# Altium PCB WL-MAIN.PcbDoc (part 3 of 3) (continued)
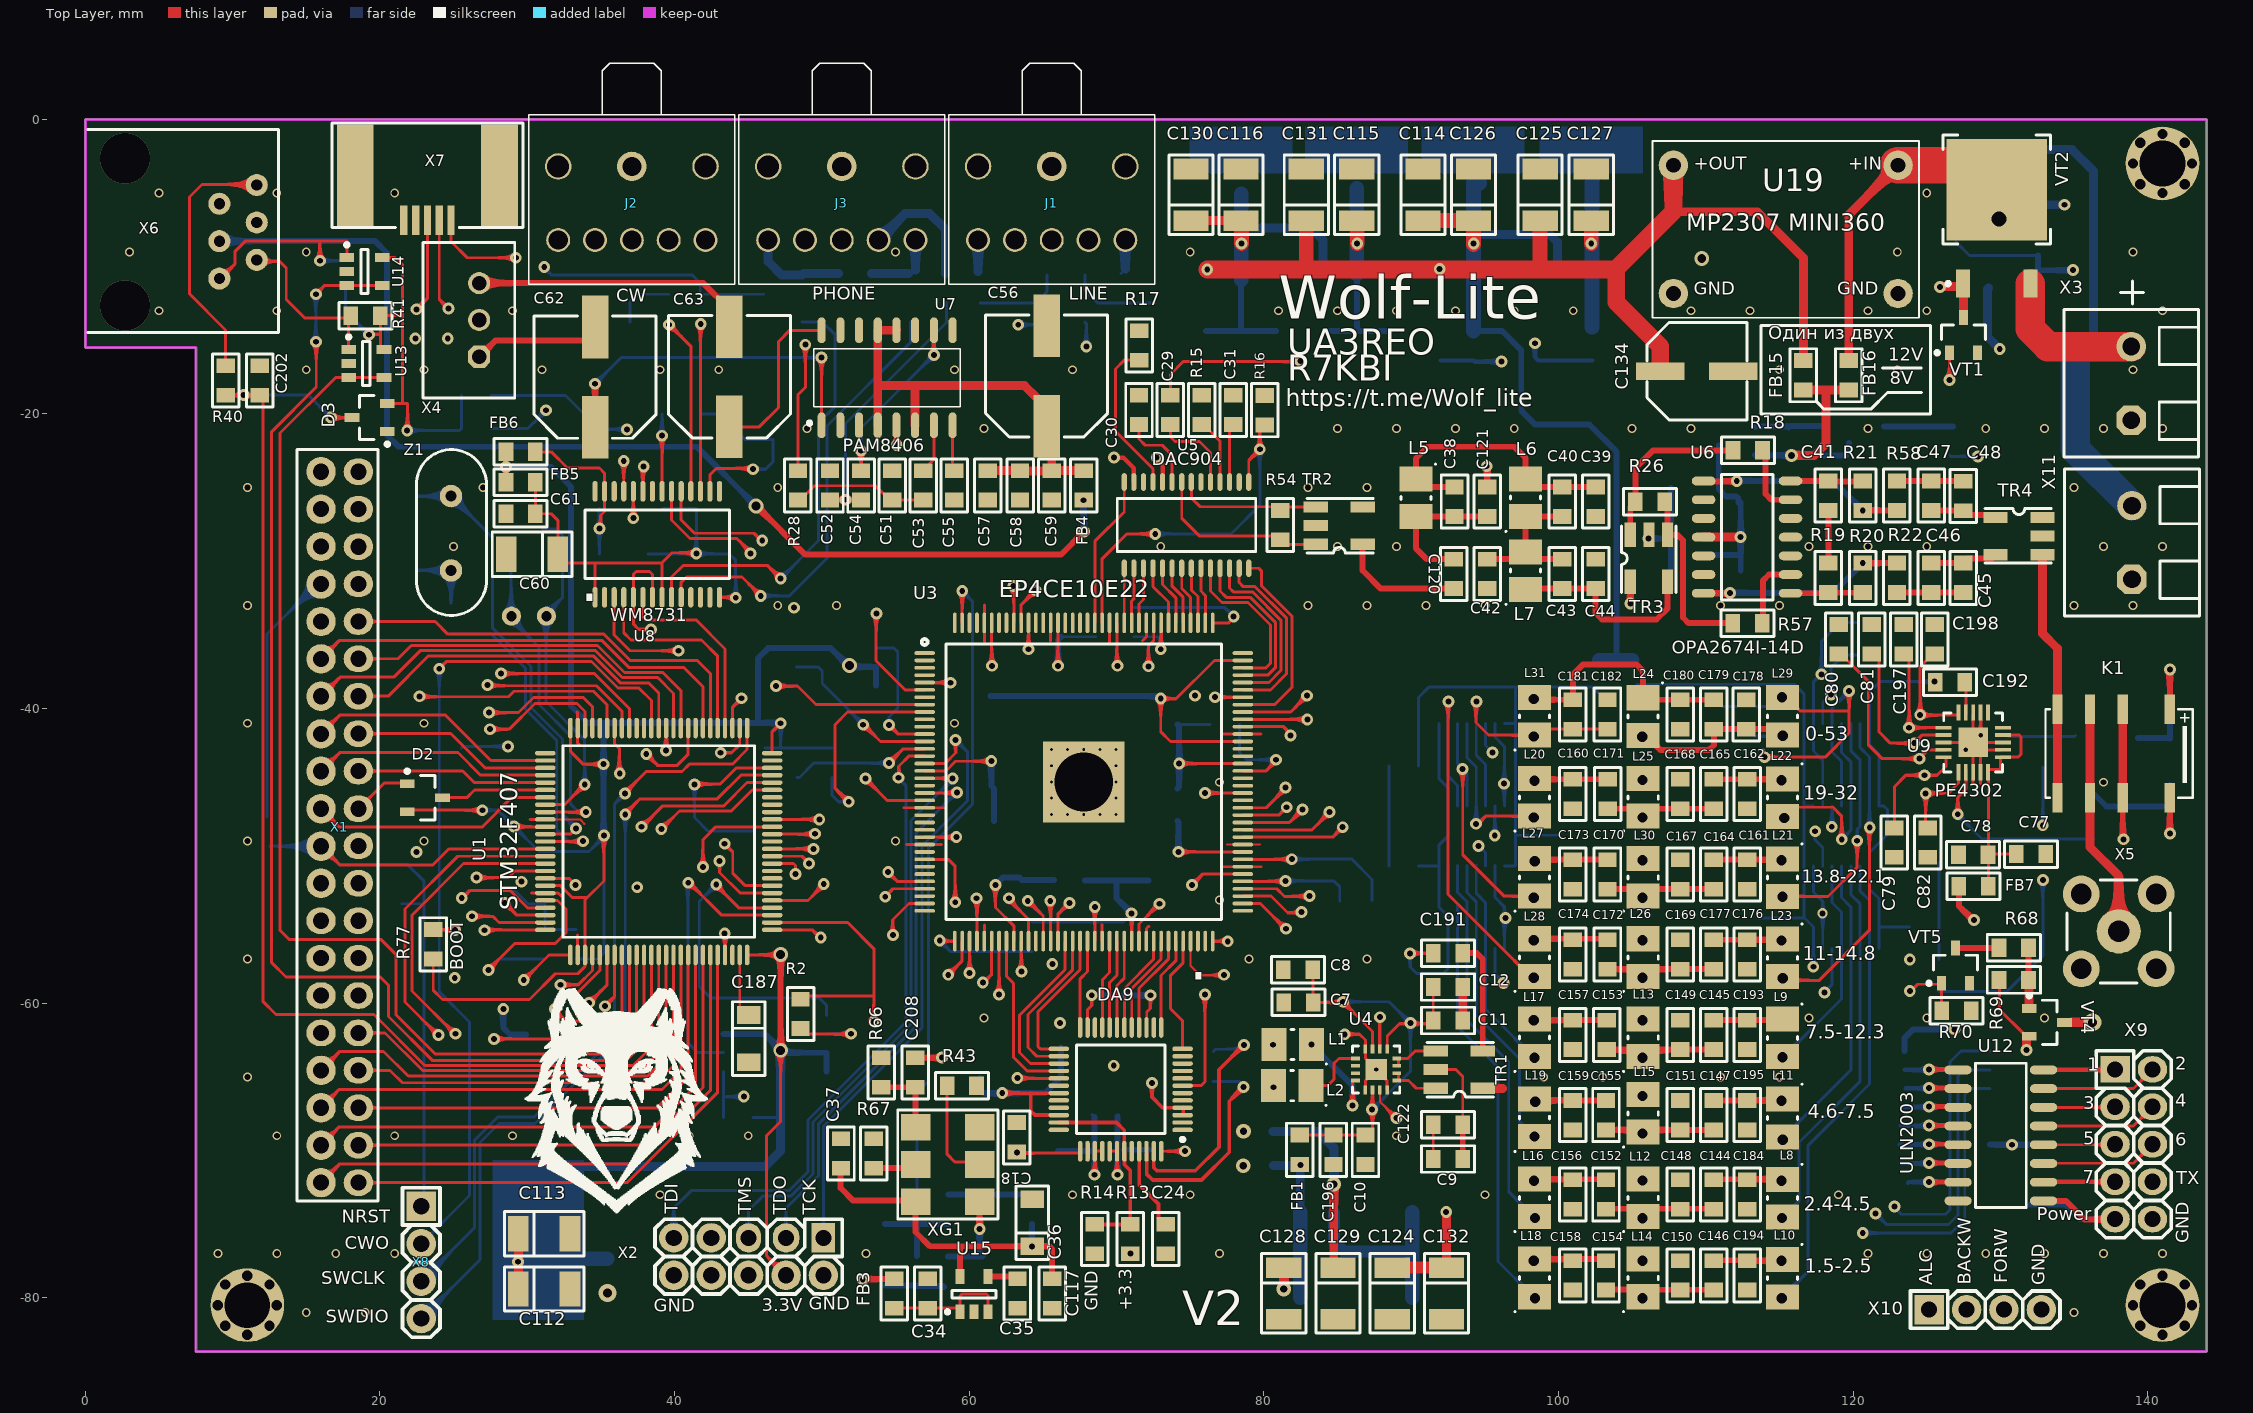
[diagram p0: Top Layer view]
## Nets (pads, with @x,y where several pads share a name; then routed paths per layer and width w, separated by ;. In a path a pad name is that pad's centre, name@x,y a point inside that pad or via, vN(x,y) a via of type N, cw(c..) or ccw(c..) an arc to the next point about the centre after c; other vN are vias at no path point) (continued)
  other v1: 80.628,-62.819
NetL1_2: L1.2 U4.8 | length 7.1
  Top Layer w0.2: v1(86.025,-66.95) 86.025,-65.35 U4.8@86.125,-65.25
  Bottom Layer w0.4: v1(83.225,-62.8) 86.025,-65.6 v1(86.025,-66.95)
NetL2_1: L2.1 R12.1 | length 0.3
  Top Layer w0.4: L2.1@80.65,-65.9 L2.1@80.65,-65.6
  other v1: 80.661,-65.704
NetL2_2: L2.2 U4.5 | length 4.3
  Top Layer w0.2: L2.2@83.2,-65.6 84.325,-65.6 84.75,-65.175 84.75,-64.1 85.1,-63.75 U4.5@86.125,-63.75
NetR5_2: R5.2 R6.1 R23.2 | length 5.8
  Bottom Layer w0.4: R23.2@58.602,-72.975 R6.1@62.211,-72.975 R5.2@64.256,-72.975 64.375,-72.975 R5.2@64.4,-73
NetR8_2: R8.2 U1.13 | length 22.5
  Top Layer w0.2: U1.13@31.225,-49.025 v1@33.725,-49.025
  Bottom Layer w0.2: R8.2@24.825,-34.925 27.53,-34.925 29.875,-37.27 29.875,-40.05 32,-42.175 32,-48.225 32.775,-49 v1(33.775,-49)
NetR9_2: R9.2 U3.9 | length 14.5
  Top Layer w0.2: v1@51.725,-46.25 50.9,-45.425 50.9,-41.075 51.743,-40.232 U3.9@56.975,-40.232
  Bottom Layer w0.2: R9.2@50.675,-44.675 50.675,-45.875 51.125,-46.325 v1(51.825,-46.325)
NetR10_2: R10.2 U3.14 | length 9.5
  Top Layer w0.2: v1(54.55,-43.7) 55.518,-42.732 U3.14@56.975,-42.732
  Bottom Layer w0.2: R10.2@48.325,-44.675 48.475,-44.675 49.45,-43.7 v1(54.55,-43.7)
NetR15_2: R15.2 U5.18 | length 4.5
  Top Layer w0.2: R15.2@75.792,-20.725 75.9,-20.725 77.025,-21.85 U5.18@77.025,-24.625
NetR18_2: R18.2 U6.6 | length 4.7
  Top Layer w0.4: R18.2@114.05,-22.55 114.05,-25.425 114.45,-25.825 U6.6@115.75,-25.825
NetR19_2: R19.2 R20.1 U6.1 | length 5
  Top Layer w0.4: U6.1@115.75,-32.175 118.29,-32.175 118.325,-32.14 R20.1@120.75,-32.14
NetR20_2: R20.2 R22.1 U6.14 | length 14
  Top Layer w0.4: U6.14@109.85,-32.175 v1@111.65,-32.175 ; v1(120.65,-30.125) R22.1@122.975,-30.125
  Bottom Layer w0.4: v1(111.65,-32.15) 118.625,-32.15 v1(120.65,-30.125)
NetR21_2: R21.2 R58.1 U6.8 | length 14
  Top Layer w0.4: U6.8@109.85,-24.555 109.87,-24.575 v1@112.125,-24.575 ; v1(120.65,-26.55) R58.1@122.975,-26.55
  Bottom Layer w0.4: v1(112.1,-24.55) 118.65,-24.55 v1(120.65,-26.55)
NetR29_1: R29.1 U8.21 | length 5.2
  Top Layer w0.2: U8.21@39.15,-25.25 v1(39.15,-21.475)
  Bottom Layer w0.2: v1(39.15,-21.475) R29.1@39.15,-20
NetR30_1: R30.1 U8.18 | length 11.9
  Top Layer w0.2: v1@39.625,-13.925 41.1,-15.4 U8.18@41.1,-25.25
  other v1: 39.625,-13.95
NetR31_1: R31.1 U8.17 | length 11.2
  Top Layer w0.2: U8.17@41.75,-25.25 v1@41.75,-14.1
  other v1: 41.775,-13.9
NetR39_1: R39.1 R53.2 VT3.1 | length 4.6
  Bottom Layer w0.2: R53.2@130.525,-41.9 135.024,-41.9 VT3.1@135.099,-41.825
NetR43_1: R43.1 XG1.2 | length 7.1
  Top Layer w0.2: R43.1@58.502,-65.606 58.502,-70.252 59.025,-70.775 60.375,-70.775 XG1.2@60.625,-71.025
  Top Layer w0.4: XG1.2@61.1,-71.225 XG1.2@61.125,-71.2
NetR51_1: R51.1 VD2.1 VT1.3 VT2.1 | length 20
  Top Layer w0.2: VT2.1@127.47,-11.341 VT2.1@127.5,-11.371
  Top Layer w0.6: v1@125.884,-11.341 VT2.1@127.47,-11.341 ; VT1.3@127.5,-13.45 VT2.1@127.5,-11.371
  Layer 2 w0.6: v1(125.9,-11.375) 132.125,-11.375 134.35,-9.15 v1(134.35,-5.8)
  Bottom Layer w0.6: R51.1@132.5,-4.05 132.5,-5.65 VD2.1@132.65,-5.8 v1@134.45,-5.8
NetR51_2: R51.2 R52.2 VT2.2 X3.2 X11.2 | length 48.5
  Top Layer w2: VT2.2@132.03,-11.157 132.03,-14.23 133.225,-15.425 X3.2@138.875,-15.425
  Bottom Layer w0.6: R52.2@127,-2.05 132.45,-2.05 R51.2@132.5,-2.1 ; R51.2@132.5,-2.05 134.85,-2.05 136.325,-3.525 136.325,-15.425
  Bottom Layer w2: X3.2@138.875,-15.425 136.325,-15.425 135.075,-15.425 135.075,-22.375 X11.2@138.925,-26.225
NetR54_1: R54.1 TR2.1 U5.22 | length 12.3
  Top Layer w0.2: U5.22@74.425,-24.625 74.425,-27.075 75.65,-28.3 80.875,-28.3 R54.1@81.125,-28.55 81.425,-28.85 TR2.1@83.525,-28.85
NetR54_2: R54.2 TR2.3 U5.21 | length 10
  Top Layer w0.2: U5.21@75.075,-24.625 75.075,-25.7 75.675,-26.3 80.875,-26.3 R54.2@81.125,-26.55 81.365,-26.31 TR2.3@83.525,-26.31
NetR55_1: R55.1 X7.3 | length 6.4
  Top Layer w0.2: v1(22.475,-12.9) 23.225,-12.15 X7.3@23.225,-6.85
NetR56_1: R56.1 X7.2 | length 6.3
  Top Layer w0.2: X7.2@24.025,-6.85 24.025,-12.225 v1(24.65,-12.85)
NetR57_2: R57.2 U6.2 | length 4.7
  Top Layer w0.4: R57.2@113.875,-33.975 113.875,-31.325 114.295,-30.905 U6.2@115.75,-30.905
NetR59_2: R59.2 U3.21 | length 4.6
  Top Layer w0.2: v1(52.95,-44.75) 54.432,-46.232 U3.21@56.975,-46.232
NetR60_2: R60.2 U3.92 | length 7.1
  Top Layer w0.2: U3.92@78.575,-44.232 80.143,-44.232 v1@80.825,-43.55
  Bottom Layer w0.2: R60.2@78.35,-41.075 78.35,-42.975 78.85,-43.475 v1(80.825,-43.475)
NetR67_2: R67.2 XG1.5 | length 3
  Top Layer w0.4: R67.2@53.524,-71.2 56.35,-71.2 XG1.5@56.375,-71.175 ; XG1.5@56.134,-70.784 XG1.5@56.2,-70.85
NetR68_1: R68.1 VT5.3 | length 3
  Top Layer w0.2: R68.1@129.896,-56.246 R68.1@129.925,-56.275
  Top Layer w0.4: VT5.3@126.95,-56.246 R68.1@129.896,-56.246
NetR68_2: R68.2 R69.1 VT4.1 | length 4
  Top Layer w0.2: R69.1@131.904,-58.229 R69.1@132,-58.325
  Top Layer w0.4: R69.1@131.904,-58.229 R68.2@131.904,-56.223
  Top Layer w0.6: VT4.1@131.935,-60.3 131.935,-58.54 R69.1@132,-58.475
NetR70_2: R70.2 R71.2 VT5.1 | length 4.1
  Top Layer w0.2: v1(123.85,-59.175) 123.915,-59.175 124.378,-58.713 125.934,-58.713 VT5.1@126,-58.646 R70.2@126,-60.35
  Bottom Layer w0.2: v1(123.85,-59.175) 123.867,-59.192 R71.2@123.876,-59.192
NetR72_1: R72.1 VT7.3 | length 2.4
  Bottom Layer w0.4: R72.1@118.041,-22.83 119.491,-22.83 119.725,-22.596 VT7.3@119.725,-21.975
NetR72_2: R72.2 R73.1 VT6.1 | length 4.7
  Bottom Layer w0.4: VT6.1@113.352,-20.88 113.377,-20.855 115.555,-20.855 R73.1@115.625,-20.925 ; R73.1@115.507,-20.816 R73.1@115.52,-20.803 ; R73.1@115.75,-20.83 117.93,-20.83 R72.2@118.075,-20.975
NetR74_2: R74.2 R75.2 VT7.1 | length 4.7
  Bottom Layer w0.4: VT7.1@122.098,-20.864 122.115,-20.847 126.772,-20.847 R75.2@126.775,-20.85
NetTR1_1: TR1.1 U4.13 U4.14 | length 3.3
  Top Layer w0.2: U4.14@89.125,-64.75 89.125,-65.25 89.825,-65.25 90.35,-65.775 TR1.1@91.675,-65.775
NetTR1_3: TR1.3 U4.15 U4.16 | length 3.3
  Top Layer w0.2: U4.15@89.125,-64.25 89.125,-63.75 89.775,-63.75 90.29,-63.235 TR1.3@91.675,-63.235
NetU1_64: U1.64 U7.5 | length 36.4
  Top Layer w0.2: U1.64@46.625,-48.525 v1@49.6,-48.525 ; U7.5@55.06,-20.775 55.075,-20.79 v1(55.075,-22.1)
  Layer 2 w0.2: v1@48.075,-33.1 48.075,-25.575 49.825,-23.825 53.35,-23.825 v1(55.075,-22.1)
  Layer 3 w0.2: v1@48.075,-33.1 48.075,-47.125 49.45,-48.5 v1(49.525,-48.5) v1@49.625,-48.5
  other v1: 48.1,-33.15
NetU2_1: U2.1 U3.8 | length 12
  Top Layer w0.2: v1@46.95,-38.475 48.35,-38.475 49.607,-39.732 U3.8@56.975,-39.732
  Bottom Layer w0.2: v1(46.875,-38.475) 48.25,-38.475 U2.1@48.285,-38.44
NetU2_2: U2.2 U3.13 | length 11.4
  Top Layer w0.2: v1(52.8,-41.1) 52.8,-41.05 53.982,-42.232 U3.13@56.975,-42.232
  Bottom Layer w0.2: U2.2@48.285,-37.17 49.745,-37.17 50.025,-37.45 50.025,-38.3 52.8,-41.075 v1(52.8,-41.1)
NetU2_5: U2.5 U3.6 | length 8.2
  Top Layer w0.2: v1@53.675,-33.8 53.675,-36.75 55.657,-38.732 U3.6@56.975,-38.732
  Bottom Layer w0.2: U2.5@53.685,-34.63 53.7,-34.615 v1(53.7,-33.55)
NetU2_6: U2.6 U3.12 | length 9.5
  Top Layer w0.2: v1(54.55,-41.125) 54.55,-41.1 55.182,-41.732 U3.12@56.975,-41.732
  Bottom Layer w0.2: U2.6@53.685,-35.9 54.9,-35.9 55.15,-36.15 55.15,-39.975 54.55,-40.575 v1(54.55,-41.125)
NetU11_9: U11.9 U12.7 | length 3.4
  Top Layer w0.3: v1@125.151,-72.149 U12.7@127.125,-72.149
  Bottom Layer w0.3: U11.9@123.725,-72.175 123.761,-72.139 125.147,-72.139 v1(125.15,-72.136)
NetU11_10: U11.10@123.5,-70.872 U12.6 | length 3.7
  Top Layer w0.3: v1(125.15,-70.85) 127.096,-70.85 U12.6@127.125,-70.879
  Bottom Layer w0.3: U11.10@123.225,-70.872 U11.10@123.5,-70.872 v1@124.922,-70.872
NetU11_11: U11.11 U12.5 | length 3.7
  Top Layer w0.3: v1(125.15,-69.575) 127.091,-69.575 U12.5@127.125,-69.609
  Bottom Layer w0.3: U11.11@123.15,-69.597 v1@124.847,-69.597
NetU11_12: U11.12 U12.4 | length 3.7
  Top Layer w0.3: v1(125.15,-68.3) 127.086,-68.3 U12.4@127.125,-68.339
  Bottom Layer w0.3: U11.12@123.225,-68.322 v1@124.922,-68.322
NetU11_13: U11.13 U12.3 | length 3.7
  Top Layer w0.3: v1(125.15,-67.025) 127.081,-67.025 U12.3@127.125,-67.069
  Bottom Layer w0.3: U11.13@123.325,-67.047 v1@125.022,-67.047
NetU11_14: U11.14 U12.2 | length 3.7
  Top Layer w0.3: v1(125.15,-65.75) 127.076,-65.75 U12.2@127.125,-65.799
  Bottom Layer w0.3: U11.14@123.575,-65.772 v1@125.272,-65.772
NetU11_15: U11.15 U12.1 | length 3.7
  Top Layer w0.3: v1(125.15,-64.5) 127.096,-64.5 U12.1@127.125,-64.529
  Bottom Layer w0.3: U11.15@123.5,-64.522 v1@125.197,-64.522
ON/OFF: R52.1 VD1.2 VD2.2 X1.1 | length 151.2
  Layer 3 w0.4: X1.1@16,-23.92 17.825,-22.095 17.825,-9.35 22.175,-5 120.95,-5 126.175,-10.225 v1(134.925,-10.225)
  Bottom Layer w0.2: R52.1@126.975,-4.025 R52.1@127,-4.05 127,-8.35 127.9,-9.25 VD2.2@132.55,-9.25
  Bottom Layer w0.4: VD1.2@132.55,-11.45 132.55,-10.25 ; VD2.2@132.55,-9.25 132.55,-10.25 ; v1@134.85,-10.25 132.55,-10.25
OPA_INA: R26.1 R57.1 TR3.3 | length 12.3
  Top Layer w0.4: R26.1@107.218,-25.958 107.408,-26.148 TR3.3@107.408,-28.208 108.083,-28.208 108.45,-28.575 108.45,-33.825 108.825,-34.2 R57.1@111.825,-34.2
OPA_INB: R18.1 R26.2 TR3.1 | length 11.8
  Top Layer w0.4: TR3.1@104.868,-28.208 104.868,-26.308 R26.2@105.218,-25.958 105.218,-23.682 106.425,-22.475 R18.1@111.85,-22.475
OUT_B1: L18.2 U17.6 U17.10 | length 31.8
  Bottom Layer w0.2: U17.10@92.512,-50.65 92.512,-52.637 93.147,-53.272 U17.6@93.147,-56.25 ; U17.6@93.147,-56.275 93.147,-61.597 95.9,-64.35 95.9,-77.525 v4(98.4,-80.025)
OUT_B2: L16.2 U17.5 U17.11 | length 26.1
  Bottom Layer w0.2: U17.11@93.147,-50.65 93.147,-52.472 93.782,-53.107 U17.5@93.782,-56.25 ; U17.5@93.782,-56.275 93.782,-61.158 96.625,-64 96.625,-72.8 v4@98.45,-74.625
  other v4: 98.4,-74.575
OUT_B3: L19.2 U17.4 U17.12 | length 20.3
  Bottom Layer w0.2: U17.12@93.782,-50.65 93.782,-52.482 94.417,-53.117 U17.4@94.417,-56.25 ; U17.4@94.417,-56.275 94.417,-60.842 97.35,-63.775 97.35,-68.05 v4@98.375,-69.075
  other v4: 98.375,-69.05
OUT_B4: L17.2 U17.3 U17.13 | length 14.7
  Bottom Layer w0.2: U17.13@94.417,-50.65 94.417,-52.542 95.052,-53.177 U17.3@95.052,-56.25 ; U17.3@95.052,-56.275 95.052,-60.403 v4@98.375,-63.725
  other v4: 98.375,-63.7
OUT_B5: L28.2 U18.6 U18.10 | length 28.6
  Top Layer w0.2: v1@92.5,-39.525 92.5,-52.6 98.075,-58.175 L28.2@98.375,-58.175
  Bottom Layer w0.2: v1(92.525,-39.525) 92.512,-39.538 U18.10@92.512,-41.025 92.512,-44.587 93.147,-45.222 U18.6@93.147,-46.625
  other v7: 98.325,-58.275
OUT_B6: L27.2 U18.5 U18.11 | length 17.7
  Top Layer w0.2: v1@93.5,-44.1 93.5,-49.925 96.312,-52.738 L27.2@98.375,-52.738
  Bottom Layer w0.2: U18.11@93.147,-41.025 93.147,-43.747 93.475,-44.075 v1(93.475,-44.1) 93.5,-44.1 93.782,-44.382 U18.5@93.782,-46.625
  other v5: 98.325,-52.838
OUT_B7: L20.2 U18.4 U18.12 | length 11.8
  Top Layer w0.2: v1@94.375,-48.125 94.375,-47.975 95.05,-47.3 L20.2@98.375,-47.3
  Bottom Layer w0.2: U18.12@93.782,-41.025 93.782,-43.332 94.417,-43.967 U18.4@94.417,-46.625 94.417,-48.133 v1@94.4,-48.15
  other v1: 94.4,-47.825
  other v5: 98.325,-47.4
OUT_B8: C181.2 C182.2 L31.2 U18.3 U18.13 | length 18.2
  Top Layer w0.2: v1@94.4,-39.55 94.4,-40.95 95.25,-41.8 L31.2@98.375,-41.8 98.775,-41.4 C181.2@100.975,-41.4 C182.2@103.325,-41.4
  Bottom Layer w0.2: v1@94.375,-39.525 94.417,-39.567 U18.13@94.417,-41.025 94.417,-43.167 95.052,-43.802 U18.3@95.052,-46.625
  other v1: 94.425,-39.525
  other v5: 98.325,-41.9
OUT_RX/TX: VT4.3 X9.8 | length 18.2
  Top Layer w0.6: VT4.3@134.347,-61.299 134.723,-61.299 134.724,-61.3 v10@135.862,-61.3
  Layer 3 w0.6: v10(136.25,-61.3) 140.525,-61.3 142.625,-63.4 142.625,-69.91 X9.8@140.55,-71.985
PA13: U1.72 X8.4 | length 52.4
  Top Layer w0.2: v1@36.675,-47.1 37.65,-46.125 42.9,-46.125 44.5,-44.525 U1.72@46.625,-44.525
  Bottom Layer w0.2: X8.4@22.8,-81.41 26.8,-77.41 26.8,-69.45 28.075,-68.175 30.522,-68.175 36.65,-62.047 v1(36.65,-47.2)
PA14: U1.76 X8.3 | length 51.3
  Top Layer w0.2: v1@36.575,-45.775 38.075,-44.275 40.5,-44.275 41,-43.775 43.925,-43.775 44.925,-42.775 U1.76@44.925,-41.325
  Bottom Layer w0.2: X8.3@22.8,-78.87 26.425,-75.245 26.425,-69.3 28,-67.725 30.477,-67.725 35.925,-62.277 35.925,-46.475 v1(36.625,-45.775)
PB3: U1.89 X8.2 | length 58.6
  Top Layer w0.2: v1(24.025,-37.3) 24.525,-36.8 34.365,-36.8 36.165,-38.6 37.575,-38.6 38.425,-39.45 U1.89@38.425,-41.325
  Bottom Layer w0.2: X8.2@22.8,-76.33 26.075,-73.055 26.075,-61.275 24.025,-59.225 v1@24.025,-37.5
PERI_MISO: D1.2 U1.53 X1.27 | length 48
  Top Layer w0.2: v1@40.85,-51.9 41.075,-51.9 43.2,-54.025 U1.53@46.625,-54.025
  Layer 2 w0.2: X1.27@16,-56.94 17.25,-55.69 20.89,-55.69 21.79,-56.59 36.16,-56.59 v1(40.925,-51.825)
  Bottom Layer w0.2: v1@40.9,-51.825 40.9,-62.675 41.585,-63.36 D1.2@43.325,-63.36
PERI_MOSI: D1.5 U1.54 X1.30 | length 49.4
  Top Layer w0.2: v1@42.8,-51.975 44.35,-53.525 U1.54@46.625,-53.525
  Layer 2 w0.2: X1.30@18.54,-59.48 27.095,-59.48 29.25,-57.325 37.4,-57.325 v1@42.8,-51.925
  Bottom Layer w0.2: v1@43.025,-51.75 41.675,-53.1 41.675,-58.875 42.45,-59.65 49.825,-59.65 50.325,-60.15 D1.5@50.325,-60.82
  other v1: 42.825,-51.95
PERI_SCK: R2.2 U1.52 X1.29 | length 55.8
  Top Layer w0.2: U1.52@46.625,-54.525 51.75,-54.525 53.525,-56.3 53.525,-59.45 ; R2.2@48.55,-59.5 53.475,-59.5 53.525,-59.45 ; v1(53.525,-61.25) 53.525,-59.45
  Layer 3 w0.2: X1.29@16,-59.48 17.27,-60.75 20.575,-60.75 21.075,-61.25 v1(53.525,-61.25)
Power-IN: R3.2 R7.1 U1.33 | length 12.7
  Top Layer w0.2: v1@31.95,-60.55 32.6,-61.2 35.825,-61.2 36.425,-60.6 U1.33@36.425,-56.725
  Bottom Layer w0.2: v1(31.875,-60.4) 31.875,-64.2 R3.2@31.925,-64.25
POWER-ON: C186.2 C188.1 FB16.1 K1.1 R7.2 R69.2 U12.9 U19.3 VD3.2 VT2.3 VT4.2 X9.9 | length 303.2
  Top Layer w0.2: R69.2@129.922,-58.424 129.922,-60.424 131.575,-62.076 VT4.2@131.575,-62.15
  Top Layer w0.4: VT2.3@128.1,-3.125 VT2.3@129.75,-4.775 ; U12.9@132.925,-73.419 134.444,-73.419 135.7,-74.675 X9.9@137.8,-74.675 ; K1.1@141.5,-40.05 v1(141.5,-37.35)
  Top Layer w0.6: FB16.1@119.7,-16.375 119.7,-6.475 U19.3@123.05,-3.125 ; v1@131.775,-63.075 VT4.2@131.775,-62.399
  Top Layer w2.5: U19.3@123.05,-3.125 VT2.3@128.1,-3.125
  Layer 2 w0.4: v8@109.7,-9.475 116.7,-9.475 U19.3@123.05,-3.125
  Layer 3 w0.2: v1(28.375,-60.4) 24.9,-60.4 20.85,-56.35 20.85,-8.45 23.5,-5.8 103.3,-5.8 106.975,-9.475 v8@109.7,-9.475
  Layer 3 w0.8: v14(129.9,-6.775) 134.575,-6.775 136.4,-8.6 136.4,-11.625 131.775,-16.25 131.775,-37.35 ; X9.9@137.78,-74.655 137.505,-74.655 131.775,-68.925 131.775,-37.35 ; v1(141.5,-37.35) 131.775,-37.35
  Bottom Layer w0.4: v1(28.375,-60.4) 28.375,-61.675 28.825,-62.125 R7.2@29.925,-62.125 ; C186.2@132.025,-73.675 134.425,-73.675 135.4,-74.65 X9.9@137.6,-74.65 ; C188.1@139.35,-42 141.45,-42 141.5,-42.05 v1(141.5,-37.35)
  other v1: 131.768,-63.175
  other v8: 109.725,-9.45
PTT: C202.2 D3.3 R40.2 U1.37 | length 86.5
  Top Layer w0.2: R40.2@9.525,-18.725 C202.2@11.85,-18.725 12.05,-18.925 12.05,-59.875 12.945,-60.77 19.59,-60.77 23.045,-64.225 37.175,-64.225 38.425,-62.975 U1.37@38.425,-56.725 ; v1(16.675,-20.25) D3.3@18.1,-20.25
  Bottom Layer w0.2: v1(10.75,-18.725) 15.15,-18.725 v1(16.675,-20.25)
PTT_SW1: U1.35 U13.3 U13.4 | length 78.5
  Top Layer w0.2: U13.4@20.275,-17.525 U13.3@17.875,-17.525 17,-17.525 13.225,-21.3 13.225,-55.055 13.86,-55.69 20.09,-55.69 21.075,-56.675 21.075,-60.775 23.75,-63.45 36.3,-63.45 37.425,-62.325 U1.35@37.425,-56.725
PTT_SW2: U1.36 U14.3 U14.4 | length 87.1
  Top Layer w0.2: v1@15.675,-15.075 15.675,-18.178 12.65,-21.203 12.65,-57.25 13.625,-58.225 20.025,-58.225 20.575,-58.775 20.575,-60.9 23.55,-63.875 36.725,-63.875 37.925,-62.675 U1.36@37.925,-56.725 ; v1@15.675,-11.85 16.25,-11.275 U14.3@17.75,-11.275 U14.4@20.15,-11.275
  Bottom Layer w0.2: v1(15.65,-15.1) v1(15.65,-11.875)
PTT_T: R40.1 X6.1 | length 17.4
  Top Layer w0.2: R40.1@9.525,-16.725 9.525,-14.3 7.075,-11.85 7.075,-5.275 7.925,-4.425 11.6,-4.425 X6.1@11.64,-4.465
RHP_OUT: J3.3 R27.1 | length 8.7
  Bottom Layer w0.6: J3.3@53.85,-8.2 55.65,-6.4 57.325,-6.4 58.4,-7.475 R27.1@58.4,-10.475
RX/TX: R39.2 R71.1 R75.1 U3.72 | length 130
  Top Layer w0.2: U3.72@76.525,-55.782 v1@77.507,-55.782
  Layer 2 w0.2: v1(77.55,-55.8) 82.6,-55.8 87.25,-51.15 87.25,-39.275 89.7,-36.825 119.925,-36.825 120.95,-37.85 120.95,-45.65 123.25,-47.95 132.85,-47.95 v1(132.875,-47.925) ; v1@128.425,-22.85 132.875,-27.3 v1(132.875,-47.925) ; v1@132.875,-51.725 132.877,-51.723 132.877,-47.927 v1(132.875,-47.925)
  Bottom Layer w0.2: R71.1@125.825,-59.192 130.458,-59.192 132.875,-56.775 v1@132.875,-51.65 ; R75.1@126.575,-22.83 126.62,-22.875 v1@128.425,-22.875 ; v1(132.875,-47.925) 132.875,-43.982 R39.2@132.882,-43.975
  other v1: 132.88,-51.638 128.472,-22.885
STM_NRST: C5.2 R76.2 U1.14 X1.21 X8.1 | length 51
  Top Layer w0.2: X1.21@16,-49.344 17.266,-50.61 23.59,-50.61 24.675,-49.525 U1.14@31.225,-49.525
  Bottom Layer w0.2: R76.2@12.55,-49.35 12.556,-49.344 X1.21@16,-49.344 17.256,-50.6 21.875,-50.6 23,-51.725 23,-53.175 ; C5.2@21.5,-53.25 22.925,-53.25 23,-53.175 ; X8.1@23,-73.6 23,-53.175
SW1: R41.1 U13.1 X6.5 | length 11.2
  Top Layer w0.2: X6.5@11.675,-9.525 11.8,-9.65 13.2,-9.65 13.64,-10.09 13.64,-12.24 14.875,-13.475 17.875,-13.475 U13.1@17.875,-15.625
SW2: R42.1 U14.1 X6.6 | length 14.1
  Top Layer w0.2: X6.6@9.3,-10.675 10.175,-9.8 10.175,-8.95 10.85,-8.275 15.975,-8.275 ; v1(15.925,-9.6) 15.925,-8.325 15.975,-8.275 ; U14.1@17.75,-9.375 17.75,-8.275 15.975,-8.275
  Bottom Layer w0.2: v1@15.95,-9.6 R42.1@17.648,-9.6
SWR_BACKW: U1.16 X10.2 | length 141.7
  Top Layer w0.2: v1(25.125,-62.075) 25.075,-62.075 22.175,-59.175 22.175,-54.025 25.675,-50.525 U1.16@31.225,-50.525
  Layer 3 w0.2: v1(25.125,-62.075) 25.75,-62.7 25.75,-79.45 28.125,-81.825 122.52,-81.825 123.27,-82.575 126.35,-82.575 127.698,-81.227 X10.2@127.698,-80.8
SWR_FORW: U1.15 X10.3 | length 146.2
  Top Layer w0.2: v1@24,-62.1 23.875,-62.1 21.7,-59.925 21.7,-53.6 25.275,-50.025 U1.15@31.225,-50.025
  Layer 3 w0.2: v1(23.975,-62.15) 25.275,-63.45 25.275,-79.875 27.575,-82.175 122.375,-82.175 123.3,-83.1 128.2,-83.1 130.238,-81.062 X10.3@130.238,-80.8
TCK: U3.16 X2.1 | length 41.5
  Top Layer w0.2: U3.16@56.975,-43.732 58.368,-43.732 59.075,-43.025 v1(59.075,-42.125)
  Bottom Layer w0.2: X2.1@50.105,-75.93 50.105,-68.355 56.8,-61.66 56.8,-49.325 59.875,-46.25 59.875,-42.925 v1(59.075,-42.125)
TDI: U3.15 X2.9 | length 45
  Top Layer w0.2: v1@55.225,-44.775 55.225,-43.9 55.893,-43.232 U3.15@56.975,-43.232
  Layer 3 w0.2: X2.9@39.945,-75.93 X2.9@39.945,-75.68
  Bottom Layer w0.2: X2.9@39.945,-75.93 39.945,-73.905 41.125,-72.725 47.775,-72.725 49.055,-71.445 49.055,-67.92 55.7,-61.275 55.7,-45.225 55.2,-44.725 v1(55.2,-44.7)
TDO: U3.20 X2.3 | length 37.2
  Top Layer w0.2: U3.20@56.975,-45.732 59.143,-45.732 v1(59.175,-45.7)
  Bottom Layer w0.2: X2.3@47.565,-75.93 47.565,-73.925 49.755,-71.735 49.755,-68.21 56.4,-61.565 56.4,-48.425 v1@59.075,-45.75
TMS: U3.18 X2.5 | length 39.9
  Top Layer w0.2: U3.18@56.975,-44.732 58.857,-44.732 v1(58.875,-44.75)
  Bottom Layer w0.2: X2.5@45.025,-75.93 45.025,-74.075 46.025,-73.075 47.92,-73.075 49.405,-71.59 49.405,-68.065 56.05,-61.42 56.05,-47.6 v1@58.875,-44.775
USB_D+: R55.2 U1.71 | length 49.6
  Top Layer w0.2: v1(37.75,-48.025) 37.775,-48.025 39.2,-46.6 43.35,-46.6 44.925,-45.025 U1.71@46.625,-45.025
  Layer 2 w0.2: v1@22.45,-14.925 33.375,-25.85 33.375,-40.325 37.75,-44.7 v1(37.75,-48.025) v1@37.7,-48.025
  other v1: 22.401,-14.876
USB_D-: R56.2 U1.70 | length 47.5
  Top Layer w0.2: v1(39.1,-48.175) 40.325,-46.95 43.85,-46.95 45.275,-45.525 U1.70@46.225,-45.525
  Layer 2 w0.2: v1(24.6,-14.875) 24.6,-16.45 33.725,-25.575 33.725,-40.18 38.1,-44.555 38.1,-47.175 v1(39.1,-48.175)
W25Q16_CS: D1.1 R1.1 U1.51 | length 21
  Top Layer w0.2: U1.51@46.625,-55.025 49.35,-55.025 v1@49.9,-55.575
  Layer 2 w0.2: v1(44.7,-66.325) 44.7,-60.775 v1(49.925,-55.55)
  Bottom Layer w0.2: R1.1@43.325,-67.75 43.325,-66.35 ; D1.1@43.325,-64.63 43.325,-66.35 ; v1@44.775,-66.325 44.75,-66.35 43.325,-66.35
WM8731_ADC_SD: U1.79 U8.6 | length 13.2
  Top Layer w0.2: U8.6@37.85,-32.45 37.85,-33.825 38,-33.975 41.45,-33.975 43.425,-35.95 U1.79@43.425,-41.325
WM8731_BCLK: U1.78 U8.3 | length 14.9
  Top Layer w0.2: U8.3@35.9,-32.45 35.9,-35 36.975,-36.075 v1@39.975,-36.075 ; U1.78@43.925,-41.325 43.925,-39.925 v1@44.475,-39.375
  Layer 2 w0.2: v1(40.275,-36.075) 41.325,-36.075 v1(44.55,-39.3)
WM8731_DAC_SD: U1.80 U8.4 | length 14.3
  Top Layer w0.2: U8.4@36.55,-32.45 36.55,-34.85 37.05,-35.35 41.825,-35.35 42.925,-36.45 U1.80@42.925,-41.325
WM8731_SCK: R34.2 U1.84 U8.24 | length 37.5
  Top Layer w0.2: v1(37.2,-27.075) U8.24@37.2,-25.25 ; v1(38.075,-43.075) 38.875,-43.875 40.15,-43.875 40.925,-43.1 U1.84@40.925,-41.325
  Layer 2 w0.2: v1(31.275,-19.75) 32.85,-21.325 32.85,-22.725 v1(37.2,-27.075)
  Layer 3 w0.2: v1(37.2,-27.075) 37.2,-42.2 v1(38.075,-43.075)
  Bottom Layer w0.2: R34.2@27.525,-21 30.025,-21 v1(31.275,-19.75)
WM8731_SDA: R35.2 U1.87 U8.23 | length 36.2
  Top Layer w0.2: U8.23@37.85,-25.25 v1@37.85,-23.8 ; v1@39.425,-42.9 v1(39.425,-42.85) U1.87@39.425,-41.325
  Layer 2 w0.2: v1(36.775,-21.05) 37.9,-22.175 v1(37.9,-23.575) 39.425,-25.1 39.4,-25.125 39.4,-42.85 v1@39.45,-42.9
  Bottom Layer w0.2: R35.2@27.525,-18.75 32.6,-18.75 34.9,-21.05 v1(36.775,-21.05)
WM8731_WS_LRC: U1.77 U8.5 U8.7 | length 20.5
  Top Layer w0.2: v1@38.2,-34.625 37.575,-34.625 37.2,-34.25 U8.5@37.2,-32.45 37.2,-30.9 37.4,-30.7 38.3,-30.7 38.5,-30.9 U8.7@38.5,-32.45 ; v1(43.127,-43.002) 43.873,-43.002 44.425,-42.45 U1.77@44.425,-41.325
  Layer 3 w0.2: v1(38.4,-34.625) 38.4,-38.275 v1(43.127,-43.002)
pads on no net: C20. C27. C36. C60. C64. C65. C70. C71. C72. C73. C74. C112. C113. C114. C115. C116. C123. C124. C125. C126. C127. C128. C129. C130. C131. C132. C187. C189. C206. D2. D3. DA2. DA3. DA4. DA5. DA6. DA7. DA8. DA9.2@74.283,-69.85 DA9.5 DA9.6 DA9.8 DA9.10 DA9.11 DA9.44 J1. J1.3 J1.4 J2. J2.3 J2.4 J3. TR4.2 U1. U1.1 U1.48 U1.58 U1.59 U1.63 U1.67 U1.68 U1.69 U1.83 U1.90 U1.91 U1.96 U2.28 U3.0 U3.1 U3.2 U3.3 U3.7 U3.10 U3.11 U3.23 U3.24 U3.25 U3.28 U3.30 U3.31 U3.34 U3.70 U3.71 U3.73 U3.88 U3.90 U3.91 U3.126 U3.127 U3.128 U3.129 U3.132 U3.133 U3.137 U3.138 U3.141 U3.142 U3.144 U4. U4.6 U4.7 U5. U6. U6.0 U6.3 U6.5 U6.9 U6.10 U6.12 U6.13 U7.3 U7.14 U8. U8.2 U8.12 U8.13 U8.26 U9.0 U9.23 U10. U11.7 U11.10@129.275,-62.3 U11.25 U12.10@127.15,-63.577 U12.25 U13. U14. U15. U16. U17. U18. VT1. VT3. VT4. VT5. VT6. VT7. X2.6 X2.7 X2.8 X3.13 X4.28 X7.48 X11.13 XG1.0
copper on no net:
  other v11: 2.69,-12.645 2.69,-2.645

## Polygon pours and split planes (outlines as drawn)
GND on Layer 3 "Layer 2-No Net" (solid, remove dead copper, shelved, pour order 0): 0,0 144,0 144,-83.65 7.475,-83.65 7.475,-15 7.45,-14.975 0,-14.975
GND on Layer 2 "Layer 1-No Net" (solid, remove dead copper, shelved, pour order 2): 0,0 144,0 144,-83.65 7.65,-83.65 7.5,-83.5 7.5,-15 0,-15
GND on Bottom Layer "Bottom Layer-No Net" (solid, remove dead copper, shelved, pour order 4): 0,0 0,-15.5 7.5,-15.5 7.5,-83.75 144,-83.75 144,0
GND on Top Layer "Top Layer-No Net" (solid, remove dead copper, shelved, pour order 6): 0,0 144,0 144,-83.65 7.65,-83.65 7.5,-83.5 7.5,-15.5 0,-15.5

## Keep-outs
Keep-Out Layer:
  the board outline again, w0.2

## Other copper
Top Layer:
  pour cut-out: 76.4,-70.5 76.3,-70.4 76.3,-61.1 95.9,-61.1 95.9,-70.5
Bottom Layer:
  rectangle net +3.3DAC: 98.725,-3.675 105.725,-0.5
  rectangle net +5DAC: 90.7,-3.675 97.7,-0.5
  rectangle net +1.2V: 82.8,-3.675 89.8,-0.5
  rectangle net +2.5V: 74.95,-3.675 81.95,-0.5
  rectangle net +3.3V: 27.65,-81.5 33.85,-70.65

## Silkscreen, mask and mechanical layers (free items; w line width, h text height)
Top Overlay:
  drawing of 3263 lines, arcs and shapes, not listed
  text "PHONE" at 49.35,-12.55 h1.52
  text "LINE" at 66.75,-12.55 h1.5
  text "CW" at 36.05,-12.675 h1.52
  text "Wolf-Lite" at 81.025,-14.491 h5
  text "Один из двух" at 114.25,-15.25 h1.52
  text "UA3REO" at 81.575,-16.55 h3
  text "12V" at 122.375,-16.7 h1.52
  text "8V" at 122.5,-18.3 h1.52
  text "R7KBI" at 81.575,-18.332 h3
  text "https://t.me/Wolf_lite" at 81.5,-19.9 h2
  text "." at 33.6,-33.65 h5
  text "0-53" at 116.75,-42.482 h1.6
  text "19-32" at 116.609,-46.511 h1.6
  text "13.8-22.1" at 116.5,-52.133 h1.5
  text "11-14.8" at 116.575,-57.382 h1.6
  text "." at 74.95,-59.375 h5
  text "7.5-12.3" at 116.8,-62.732 h1.6
  text "2" at 141.875,-64.825 h1.52
  text "1" at 135.897,-64.875 h1.52
  text "4" at 141.876,-67.35 h1.52
  text "3" at 135.618,-67.5 h1.52
  text "4.6-7.5" at 116.925,-68.107 h1.6
  text "5" at 135.609,-69.925 h1.52
  text "6" at 141.876,-69.975 h1.52
  text "7" at 135.6,-72.525 h1.52
  text "TX" at 141.925,-72.6 h1.52
  text "TDI" at 40.525,-74.3 h1.52 r90
  text "TMS" at 45.5,-74.35 h1.52 r90
  text "TDO" at 47.9,-74.375 h1.52 r90
  text "TCK" at 49.9,-74.375 h1.52 r90
  text "2.4-4.5" at 116.649,-74.407 h1.6
  text "Power" at 132.475,-75.025 h1.52
  text "NRST" at 17.4,-75.225 h1.52
  text "GND" at 143.075,-76.3 h1.52 r90
  text "CWO" at 17.606,-77 h1.52
  text "1.5-2.5" at 116.725,-78.607 h1.6
  text "FORW" at 130.775,-79 h1.52 r90
  text "BACKW" at 128.275,-79.125 h1.52 r90
  text "ALC" at 125.675,-79.15 h1.52 r90
  text "GND" at 133.3,-79.15 h1.52 r90
  text "SWCLK" at 16.025,-79.375 h1.52
  text "+3.3" at 71.333,-80.875 h1.5 r90
  text "GND" at 69.03,-80.885 h1.5 r90
  text "GND" at 49.1,-81.125 h1.52
  text "3.3V" at 45.925,-81.2 h1.52
  text "GND" at 38.575,-81.25 h1.52
  text "SWDIO" at 16.312,-82 h1.52
  text "V2" at 74.45,-82.65 h4
Bottom Overlay:
  text "1.2V" at 89.198,-12.6 h1.52
  text "2.5V" at 81.416,-12.625 h1.52
  text "5V" at 96.55,-12.796 h1.52
  text "3.3V" at 105.2,-12.9 h1.52
  text "3.3V" at 27.4,-81.475 h1.52 r90
  text "5V" at 90.875,-83.15 h1.52
  text "3.3V" at 83.95,-83.225 h1.52
Top Solder:
  rectangle: 65.025,-47.75 70.525,-42.225
Bottom Solder:
  rectangle: 28.25,-46.025 31.525,-43.65

## Dimensions
7.5,-83.65 to 0,0 on Size
0,0 to 144,0 on Size

## Text inside footprints (layer, text, board x,y; h text height)
U19: Top Overlay "MP2307 MINI360" at 108.675,-7.975 h2; Top Overlay "GND" at 118.925,-12.225 h1.52; Top Overlay "GND" at 109.175,-12.225 h1.52; Top Overlay "+IN" at 119.675,-3.725 h1.52; Top Overlay "+OUT" at 109.175,-3.725 h1.52